# Altium PCB GN-1846-E-V2.PcbDoc (part 7 of 8) (continued)
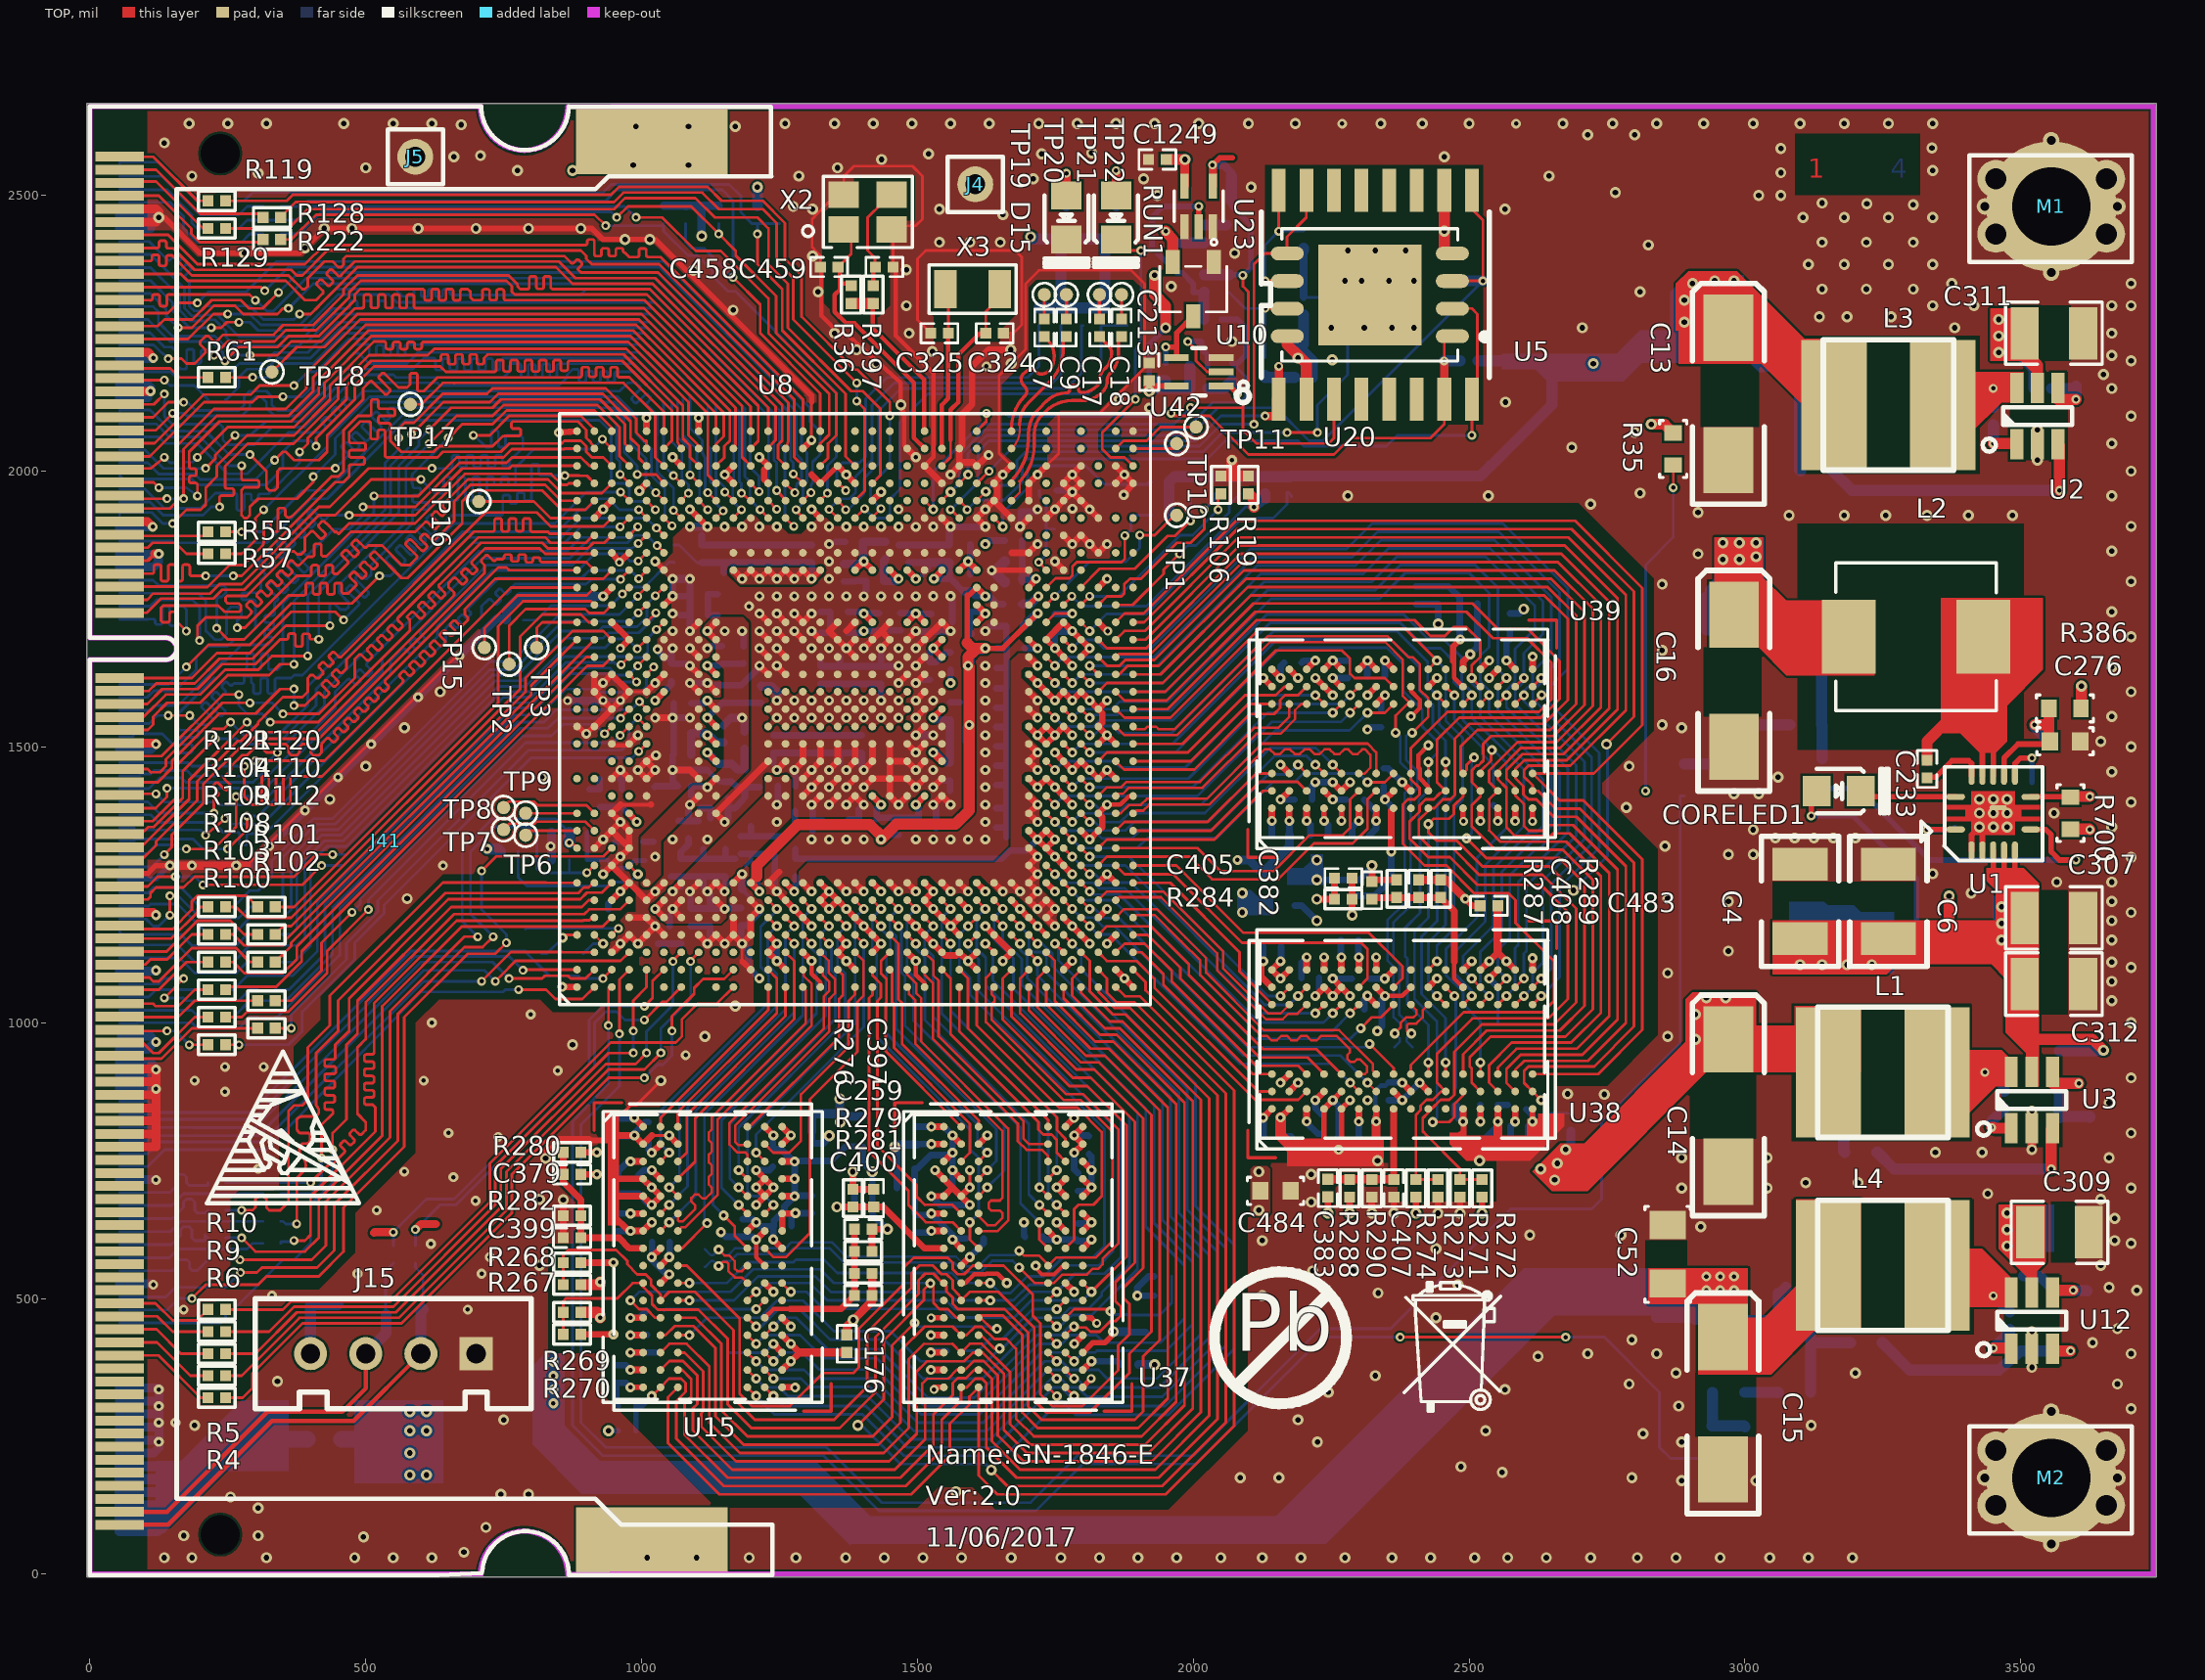
[diagram p0: TOP view]
## Nets (pads, with @x,y where several pads share a name; then routed paths per layer and width w, separated by ;. In a path a pad name is that pad's centre, name@x,y a point inside that pad or via, vN(x,y) a via of type N, cw(c..) or ccw(c..) an arc to the next point about the centre after c; other vN are vias at no path point) (continued)
RGMII_RXD1: J41.140 U8.A2 | length 965.7
  TOP w5: v3(785,1095) 786,1096 809,1096 809.11,1096.11 U8.A2@883.01,1096.11
  BOTTOM w5: J41.140@54,833.78 110,833.78 118.78,825 295,825 590,1120 760,1120 v3(785,1095)
RGMII_RXD2: J41.142 U8.B2 | length 1008.1
  TOP w5: v3(760,1080) 819.79,1080 824.79,1085 866.47,1085 871.47,1080 898.4,1080 U8.B2@914.51,1096.11
  BOTTOM w5: J41.142@54,810.16 187.82,810.16 187.97,810 300,810 600,1110 730,1110 v3(760,1080)
RGMII_RXD3: J41.144 U8.D3 | length 1081.6
  TOP w5: v3(735,1075) 745.25,1085.25 745.25,1085.76 771.49,1112 961.89,1112 U8.D3@977.5,1127.61
  BOTTOM w5: J41.144@54,786.54 105,786.54 113.46,795 305,795 605,1095 715,1095 v3(735,1075)
RGMII_RXDV: J41.148 U8.B1 | length 1010.8
  TOP w5: v3(777,1060) 827,1060 844,1043 892.9,1043 U8.B1@914.51,1064.61
  BOTTOM w5: J41.148@54,739.29 105,739.29 135.71,770 320,770 601.04,1055.97 748.97,1055.97 753,1060 v3(777,1060)
RGMII_TXCKOUT: J41.160 R320.1 | length 210.5
  BOTTOM w5: J41.160@54,597.56 147.56,597.56 165,615 165,625 170,630 180,630 185,625 185,610 190,605 209,605 209,615 R320.1@214,610
RGMII_TXCKOUT_S: R320.2 U8.C5 | length 1139.9
  TOP w5: v3(275,610) 300,585 390,585 415,610 415,680 530,795 530,1030 674,1174 929.41,1174 U8.C5@946.01,1190.6
  BOTTOM w5: R320.2@246,610 v3(275,610)
RGMII_TXD0: J41.152 R342.1 | length 203.3
  BOTTOM w5: J41.152@54,692.05 145,692.05 155,702.05 155,720 160,725 170,725 175,720 175,710 180,705 214,705 R342.1@214,710
RGMII_TXD0_S: R342.2 U8.D6 | length 1144.8
  TOP w5: v3(400,710) 432.63,742.63 439.52,742.63 461.12,764.23 ccw(c458.47,766.88) 462.22,766.88 ccw(c458.47,766.88) 461.12,769.53 454.95,775.71 cw(c457.6,778.36) 453.85,778.36 cw(c457.6,778.36) 454.95,781.01 458.84,784.9 cw(c461.49,782.25) 464.14,784.9 469.56,779.48 ccw(c472.21,782.13) 474.86,779.48 478.75,783.37 ccw(c476.1,786.02) 479.85,786.02 ccw(c476.1,786.02) 478.75,788.67 472.02,795.4 cw(c474.67,798.06) 470.92,798.06 cw(c474.67,798.06) 472.02,800.71 475.91,804.6 cw(c478.56,801.95) 481.21,804.6 487.75,798.06 ccw(c490.4,800.71) 493.05,798.05 500,805 500,820 485,835 485,955 500,970 500,1037 660,1197 896.41,1197 905,1205.59 961,1205.59 U8.D6@977.5,1222.09
  BOTTOM w5: R342.2@246,710 v3(400,710)
RGMII_TXD1: J41.154 R343.1 | length 268.9
  BOTTOM w5: J41.154@54,668.43 148.43,668.43 170,690 R343.1@314,690
RGMII_TXD1_S: R343.2 U8.C7 | length 1121.7
  TOP w5: v3(420,755) 420,815.15 440.85,836 440.85,838.75 ccw(c437.1,838.75) 437.1,842.5 429.36,842.5 cw(c429.36,846.25) 425.61,846.25 425.61,851.75 cw(c429.36,851.75) 429.36,855.5 440.28,855.5 ccw(c440.28,859.25) 444.03,859.25 444.03,864.75 ccw(c440.28,864.75) 440.28,868.5 429.36,868.5 cw(c429.36,872.25) 425.61,872.25 425.61,877.75 cw(c429.36,877.75) 429.36,881.5 440.28,881.5 ccw(c440.28,885.25) 444.03,885.25 444.03,890.75 ccw(c440.28,890.75) 440.28,894.5 429.36,894.5 cw(c429.36,898.25) 425.61,898.25 425.61,903.75 cw(c429.36,903.75) 429.36,907.5 442.19,907.5 ccw(c442.19,911.25) 445.94,911.25 445.94,916.75 ccw(c442.19,916.75) 442.19,920.5 429.36,920.5 cw(c429.36,924.25) 425.61,924.25 425.61,929.75 cw(c429.36,929.75) 429.36,933.5 441.25,933.5 ccw(c441.25,937.25) 445,937.25 445,960 470,985 470,1044.09 649.91,1224 889,1224 901,1236 928.42,1236 U8.C7@946.01,1253.59
  BOTTOM w5: R343.2@346,690 400.51,690 420,709.49 v3(420,755)
RGMII_TXD2: J41.156 R344.1 | length 201.7
  BOTTOM w5: J41.156@54,644.8 149.8,644.8 170,665 170,675 175,680 185,680 190,675 190,660 195,655 209,655 R344.1@214,660
RGMII_TXD2_S: R344.2 U8.A7 | length 1105.4
  TOP w5: v3(275,660) 295,660 300,665 300,680 305,685 315,685 320,680 320,665 325,660 345,660 360,675 360,840 370,850 385,850 395,860 395,955 435,995 435,1049 640,1254 827,1254 827.41,1253.59 U8.A7@883.01,1253.59
  BOTTOM w5: R344.2@246,660 v3(275,660)
RGMII_TXD3: J41.158 R341.1 | length 267.8
  BOTTOM w5: J41.158@54,621.18 146.18,621.18 165,640 R341.1@314,640
RGMII_TXD3_S: R341.2 U8.B7 | length 1081.3
  TOP w5: v3(375,635) 375,718.62 387.56,731.19 ccw(c378.36,740.39) 391.38,740.39 391.38,741.68 ccw(c371.29,741.68) 385.49,755.88 384.03,757.35 cw(c393.75,767.07) 380,767.07 380,771.21 cw(c391.46,771.21) 383.36,779.32 cw(c387.32,775.36) 387.32,780.96 392.32,780.96 ccw(c392.32,787.43) 396.89,782.86 397.14,783.11 ccw(c392.57,787.68) 399.04,787.68 399.04,795.96 ccw(c395,795.96) 395,800 382.07,800 cw(c382.07,805) 378.54,801.46 cw(c387.07,810) 375,810 375,822.93 cw(c380,822.93) 376.46,826.46 cw(c385,817.93) 385,830 407.93,830 ccw(c407.93,835) 411.46,831.46 ccw(c402.93,840) 415,840 ccw(c402.93,840) 413.26,846.25 ccw(c402.93,840) 411.46,848.53 cw(c415,852.07) 410,852.07 410,945 450,985 450,1040.55 644.45,1235 885.39,1235 895.39,1245 904.01,1245 913.55,1254.55 U8.B7@914.51,1253.59
  BOTTOM w5: R341.2@346,640 350,640 355,635 v3(375,635)
RGMII_TXEN: J41.162 R345.1 | length 270.8
  BOTTOM w5: J41.162@54,573.94 143.94,573.94 160,590 285,590 295,600 R345.1@314,600
RGMII_TXEN_S: R345.2 U8.B5 | length 1111.9
  TOP w5: v3(370,605) 390,605 400,615 400,685 517.5,802.5 517.5,846.5 512.5,851.5 501.25,851.5 cw(c501.25,855.25) 497.5,855.25 497.5,860.75 cw(c501.25,860.75) 501.25,864.5 511.35,864.5 ccw(c511.35,868.25) 515.1,868.25 515.1,873.75 ccw(c511.35,873.75) 511.35,877.5 501.25,877.5 cw(c501.25,881.25) 497.5,881.25 497.5,886.75 cw(c501.25,886.75) 501.25,890.5 511.35,890.5 ccw(c511.35,894.25) 515.1,894.25 515.1,899.75 ccw(c511.35,899.75) 511.35,903.5 501.25,903.5 cw(c501.25,907.25) 497.5,907.25 497.5,912.75 cw(c501.25,912.75) 501.25,916.5 511.35,916.5 ccw(c511.35,920.25) 515.1,920.25 515.1,925.75 ccw(c511.35,925.75) 511.35,929.5 501.25,929.5 cw(c501.25,933.25) 497.5,933.25 497.5,938.75 cw(c501.25,938.75) 501.25,942.5 511.35,942.5 ccw(c511.35,946.25) 515.1,946.25 515.1,1035.1 665,1185 894,1185 895,1186 905.4,1186 910,1190.6 U8.B5@914.51,1190.6
  BOTTOM w5: R345.2@346,600 346,602.92 370,602.92 v3(370,605)
RTC_XIN: C324.2 U8.AB31 X3.1 | length 371
  TOP w5: U8.AB31@1544.43,2009.49 1560.18,2025.24 1560.18,2056 ; C324.2@1624,2250 1624,2289 1650,2315 1650,2329.21 X3.1@1649.21,2330
  TOP w8: 1560.18,2056 1560.18,2111.18 1574,2125 1574,2211 1613,2250 C324.2@1624,2250
RTC_XOUT: C325.2 U8.AB32 X3.2 | length 296
  TOP w5: X3.2@1550.79,2330 1556,2324.79 C325.2@1556,2250
  TOP w8: U8.AB32@1544.43,2040.99 1544.43,2120.43 1555.5,2131.5 1555.5,2249.5 C325.2@1556,2250
SATA_RXM3: C7.1 TP19.1 | length 44
  TOP w6: C7.1@1730,2276 TP19.1@1730,2320
SATA_RXP3: C9.1 TP20.1 | length 44
  TOP w6: C9.1@1770,2276 TP20.1@1770,2320
SATA_TXM3: C17.1 TP21.1 | length 44
  TOP w6: C17.1@1830,2276 TP21.1@1830,2320
SATA_TXP3: C18.1 TP22.1 | length 44
  TOP w6: C18.1@1870,2276 TP22.1@1870,2320
SFC_CLK: R64.2 U5.6 U20.16 | length 260.8
  TOP w5: v3(2130,2345) 2170,2345 U5.6@2170.39,2344.61 ; v3(2155,2435) U20.16@2155,2509.47
  BOTTOM w5: v3(2130,2345) 2130,2410 v3(2155,2435) 2199,2435 R64.2@2200,2436
SFC_CLK/SFC_BOOT_MODE: R64.1 R690.1 R691.1 U8.AD29 | length 1118.2
  TOP w4: U8.AD29@1607.42,1946.5 v1(1624,1963)
  TOP w5: v3(2170,2070) v3(2225,2070)
  BOTTOM w5: v1(1624,1963) 1635.08,1974.08 1665,1974.08 1680,1989.08 1680,2019 1696,2035 2018,2035 2053,2070 v3(2170,2070) ; R691.1@2200,2316 2200,2315 2265,2315 2280,2300 2280,2175 2225,2120 v3(2225,2070) ; R690.1@2200,2360 R690.1@2204,2360
  BOTTOM w15: R691.1@2200,2316 2200,2360 R64.1@2200,2400
  BOTTOM w20: R64.1@2200,2400 R64.1@2200,2404
SFC_CS0N: R130.2 U5.1 U8.AD33 U20.7 | length 1131.4
  TOP w5: U8.AD33@1607.42,2072.49 1624.93,2090 1624.93,2104.93 v3(1625,2105) ; v3(1960,2105) 1965,2100 2030,2100 2100,2030 2255,2030 2285,2060 2430,2060 2455,2085 U20.7@2455,2130.53 U20.7@2455,2140 ; v3(2455,2200) 2455,2240 2469.61,2240 U5.1@2469.61,2244.61
  TOP w15: U20.7@2455,2140 v3(2455,2200)
  BOTTOM w5: v3(1625,2105) 1659.5,2105 1665,2099.5 1934.5,2099.5 1940,2105 v3(1960,2105)
  BOTTOM w20: v3(2455,2200) R130.2@2484,2200
SFC_DEVICE_MODE: R245.2 R322.1 U8.D8 | length 301
  TOP w5: U8.D8@977.5,1285.09 v1(993.24,1269.35)
  BOTTOM w5: R245.2@776,1310 R322.1@776,1270 776.5,1269.5 776.5,1263.5 792,1248 942,1248 949,1255 978.89,1255 v1(993.24,1269.35)
SFC_DIO_IO0: U5.5 U8.AD30 U20.15 | length 1034.7
  TOP w5: U8.AD30@1607.42,1978 1608,1978 v3(1630,2000) ; v3(2110,2085) 2110,2375 2130,2395 U5.5@2170,2395 ; U5.5@2170.39,2394.61 U5.5@2170,2395 ; U20.15@2205,2509.47 2205,2460 2170,2425 U5.5@2170,2395
  BOTTOM w5: v3(1630,2000) 1675,2045 2011,2045 2051,2085 v3(2110,2085)
SFC_DOI_IO1: U5.2 U8.AC29 U20.8 | length 1294.7
  TOP w5: U8.AC29@1575.93,1946.5 1590,1932.43 v3(1590,1930) ; U5.2@2469.61,2294.61 2470,2295 2505,2295 2515,2285 2515,2140.53 U20.8@2505,2130.53 v3(2505,2065)
  BOTTOM w5: v3(1590,1930) 1607.5,1947.5 1657.5,1947.5 1690,1980 1690,2013 1699,2022 2025,2022 2058,2055 2190,2055 2200,2045 2350,2045 2370,2065 v3(2505,2065)
SFC_HOLD_IO3: R29.2 R127.2 U8.AC28 U20.1 | length 887.8
  TOP w5: v3(1560,1930) 1560.94,1930 U8.AC28@1575.93,1915.01
  TOP w15: v3(2130,2100) 2150,2100 2150,2130.53 U20.1@2155,2130.53 v3(2155,2190)
  BOTTOM w5: v3(1560,1930) 1610,1980 1610,2035 1630,2055 2005,2055 2050,2100 v3(2130,2100)
  BOTTOM w15: 2155,2170 v3(2155,2190)
  BOTTOM w20: R29.2@2130,2174 2130,2170 2155,2170 R127.2@2184,2170
SFC_WP_IO2: R131.1 U5.3 U8.AC30 U20.9 | length 1460.3
  TOP w4: U8.AC30@1575.93,1978 v1(1591.68,1993.74)
  TOP w5: U5.3@2469.61,2344.61 2470,2345 v3(2525,2345) 2525,2455 2505,2475 U20.9@2505,2509.47
  BOTTOM w5: v1(1591.68,1993.74) 1591.68,2031.68 1625,2065 1995,2065 2045,2115 2150,2115 2210,2055 2235,2055 v3(2525,2345)
  BOTTOM w20: R131.1@2466,2345 v3(2525,2345)
SPI_CSN0/PCIE_SATA_MODE0: R222.2 R319.1 U8.R29 | length 1386.6
  TOP w5: R222.2@346,2420 365,2420 410,2465 915,2465 v3(935,2445) ; U8.R29@1323.96,1946.5 1323.96,1946.96 v3(1337,1960)
  BOTTOM w5: v3(935,2445) 1039,2445 R319.1@1040,2449 1040,2435 1084,2391 1101,2391 1128,2364 1128,2355 1157,2326 1170,2326 1354,2142 1353,2141 1353,2026 1337,2010 v3(1337,1960)
SPI_CSN1/PCIE_SATA_MODE1: R318.1 U8.T29 | length 714.2
  TOP w5: U8.T29@1355.45,1946.5 1370,1931.95 v3(1370,1930)
  BOTTOM w5: v3(1370,1930) 1374,1930 1403,1959 1403,1987 1430,2014 1430,2110 1470,2150 1770,2150 1797.36,2177.36 1797.36,2263.97 R318.1@1800,2264
SPI_CSN2/PCIE_SATA_MODE2: R317.1 U8.T30 | length 644.7
  TOP w5: U8.T30@1355.45,1978 1357,1978 v3(1370,1965)
  BOTTOM w5: v3(1370,1965) 1354,1981 1354,2005 1364,2015 1395,2015 1406,2026 1406,2131 1445,2170 1700,2170 1720,2190 R317.1@1720,2264
SPI_CSN3/PCIE_SATA_MODE3: R316.1 U8.T28 | length 708.3
  TOP w5: v3(1339.71,1930.74) U8.T28@1355.45,1915.01
  BOTTOM w5: v3(1339.71,1930.74) 1358.97,1950 1377,1950 1388,1961 1388,1990 1418,2020 1418,2120 1457.56,2159.56 1744.56,2159.56 1760,2175 R316.1@1760,2264
SYS_RSTN: C220.1 R56.2 R95.2 R96.1 U8.AA29 U20.3 U23.4 | length 1635
  TOP w5: U8.AA29@1512.93,1946.5 v1(1528.67,1930.76) ; v3(1995,2115) 2090,2115 ; v3(2090,2355) 2090,2335 2100,2325 2100,2130 2090,2120 2090,2115 ; U20.3@2255,2130.53 2255,2060 2245,2050 2115,2050 2090,2075 2090,2115
  TOP w10: v3(2035,2555) 2048,2568 2071,2568
  TOP w15: v3(2035,2555) 2035.59,2554.41 U23.4@2035.59,2517
  BOTTOM w5: v1(1528.67,1930.76) 1528.67,1998.67 1615,2085 1965,2085 v3(1995,2115)
  BOTTOM w10: R56.2@2065,2356 2089,2356 v3(2090,2355) 2105,2370 2105,2445 2070,2480 2070,2489 C220.1@2069,2490
  BOTTOM w15: v3(2035,2555) 2055,2555 2069,2541 R96.1@2069,2535
  BOTTOM w20: R95.2@2020,2356 R56.2@2065,2356 ; C220.1@2069,2490 R96.1@2069,2535
SYS_RSTN_OUT: C455.1 R23.1 R95.1 R334.2 U23.2 | length 450.8
  TOP w10: U23.2@2010,2443 v3(2010,2480)
  BOTTOM w10: R95.1@2020,2324 2000,2324 2000,2340 1980,2360 1970,2360 1925,2405 1925,2460 1945,2480 v3(2010,2480) 2010,2456 R334.2@2020,2446
  BOTTOM w20: R23.1@2019,2275 2019,2323 R95.1@2020,2324 ; R334.2@2020,2446 C455.1@2060,2446
SYSRUN: RUN1.2 U8.AN31 | length 520.7
  TOP w5: RUN1.2@1860,2420 1860,2400 v3(1905,2400) ; U8.AN31@1890.89,2009.49 1875.38,2025 1850,2025 1835,2040 1835,2070 v3(1895,2130)
  BOTTOM w5: v3(1895,2130) 1895,2220 1905,2240 v3(1905,2400)
TEST_MODE: R253.2 U8.AH22 | length 85.7
  TOP w5: U8.AH22@1733.41,1726.03 1749.15,1741.77 v1(1780.64,1741.77)
  BOTTOM w12: R253.2@1749,1741 1779.87,1741 v1(1780.64,1741.77)
UART0_RXD: R372.1 U8.G1 | length 792.9
  TOP w5: v3(1005,1005) 1037.62,1037.62 1045,1037.62 U8.G1@1071.99,1064.61
  TOP w15: v3(590,625) 600,635 627,635
  BOTTOM w5: R372.1@590,596 v3(590,625) 635,670 664,670 915,921 915,1000 935,1020 955,1020 970,1005 v3(1005,1005)
UART0_TXD: R48.1 U8.F2 | length 812.2
  TOP w5: v3(1005,1030) 1020,1045 1020,1075.62 U8.F2@1040.49,1096.11
  TOP w15: 515,619 516,620 v3(550,620)
  BOTTOM w5: R48.1@550,596 v3(550,620) 550,620.5 609.5,680 660,680 905,925 905,1005 930,1030 v3(1005,1030)
UART1_RXD: J41.105 U8.E20 | length 1150.5
  TOP w5: J41.105@54,1247.17 105,1247.17 122.83,1265 v3(155,1265) ; v3(205,1250) 385,1250 v3(420,1285) ; v3(993,1647) U8.E20@1009,1663.04
  BOTTOM w5: v3(155,1265) 190,1265 v3(205,1250) ; v3(420,1285) 460,1285 755,1580 805,1580 868,1643 942,1643 955,1630 976,1630 v3(993,1647)
UART1_TXD: J41.107 U8.D20 | length 1112.6
  TOP w5: J41.107@54,1223.54 105,1223.54 110,1228.54 110,1235 120,1245 170,1245 190,1265 370,1265 410,1305 v3(440,1305) ; v3(963,1649) 977.04,1663.04 U8.D20@977.5,1663.04
  BOTTOM w5: v3(440,1305) 465,1305 750,1590 800,1590 863,1653 950,1653 953,1650 962,1650 v3(963,1649)
USB2_REXT: R8.2 R39.2 U8.D11 | length 99.3
  TOP w12: U8.D11@977.5,1379.57 977.5,1378.1 v1(991.3,1364.3)
  BOTTOM w5: v1@990.7,1364.3 v1(991.3,1364.3)
  BOTTOM w12: R39.2@924,1391 R8.2@964,1391 v1@990.7,1364.3
USB3_REXT: R40.2 R41.2 U8.AH25 | length 176
  TOP w5: v3(1720,1835) U8.AH25@1733.41,1820.52
  BOTTOM w5: v3(1720,1835) 1733.4,1848.4 1733.4,1895 ; R40.2@1721,1965 1721,1955 1733.4,1942.6 1733.4,1895 ; R41.2@1749,1895 1733.4,1895
VDAC_REXT: R219.1 U8.F18 | length 69.1
  TOP w12: v1(1024.75,1584.31) U8.F18@1040.49,1600.05
  BOTTOM w12: v1(1024.75,1584.31) 1054,1613.56 R219.1@1054,1619
WDG_RSTN: R83.1 R225.2 U42.1 | length 113.9
  TOP w10: U42.1@2050.5,2154.41 2051.09,2155 2065,2155 v3(2080,2140)
  BOTTOM w10: R83.1@2070,2164 2080,2154 v3(2080,2140)
  BOTTOM w20: R225.2@2026,2150 2056,2150 R83.1@2070,2164
WDG_RSTN/SYS_RSTN_OUT: R23.2 R83.2 U8.AB29 | length 863
  TOP w5: U8.AB29@1544.43,1946.5 v1@1562,1964.07
  BOTTOM w5: v1(1560.17,1962.24) 1575.93,1978 1575.93,2028.65 1622.27,2075 1985.25,2075 2035,2124.75 2085.26,2124.75 2095,2134.49 2095,2171 R83.2@2071,2195
  BOTTOM w10: R23.2@2051,2275 2080,2275 2095,2260 2095,2210 2080,2195 2071,2195 R83.2@2070,2196
XIN: C458.2 R36.1 U8.AA32 X2.1 | length 563.9
  TOP w5: C458.2@1356,2370 1380,2394 1380,2442 1356,2442 1356,2433 1366.69,2433 X2.1@1366.69,2438.5
  TOP w8: C458.2@1356,2370 1360,2366 1360,2340 ; R36.1@1380,2336 1376,2340 1360,2340 ; U8.AA32@1512.93,2040.99 1493.94,2059.98 1493.94,2160 1386,2267.94 1371,2267.94 1350,2288.94 1350,2320 1360,2330 1360,2340
XOUT: R36.2 R397.2 U8.AA33 | length 310.8
  TOP w8: R397.2@1420,2304 1419,2303 1419,2259 1512,2166 1512,2073.42 U8.AA33@1512.93,2072.49
  TOP w20: R36.2@1380,2304 R397.2@1420,2304
pads on no net: J41.15 J41.16 J41.17 J41.18 J41.19 J41.20 J41.21 J41.22 J41.23 J41.24 J41.25 J41.26 J41.27 J41.28 J41.29 J41.30 J41.39 J41.40 J41.41 J41.42 J41.43 J41.44 J41.45 J41.46 J41.47 J41.48 J41.49 J41.50 J41.51 J41.52 J41.53 J41.54 J41.65 J41.66 J41.67 J41.68 J41.69 J41.70 J41.71 J41.72 J41.73 J41.74 J41.75 J41.76 J41.77 J41.78 J41.79 J41.80 J41.85 J41.86 J41.87 J41.88 J41.89 J41.90 J41.91 J41.92 J41.93 J41.94 J41.95 J41.96 J41.97 J41.98 J41.99 J41.100 J41.147 J41.149 J41.151 J41.153 J41.155 J41.157 J41.159 J41.161 J41.163 J41.165 J41.167 J41.174 J41.176 J41.178 J41.179 J41.180 J41.181 J41.183 J41.185 J41.187 J41.189 J41.191 J41.193 J41.195 J41.197 J41.199 J41.205 J41.206 J41.207 J41.208 U8.A13 U8.A15 U8.A17 U8.A18 U8.AA30 U8.AD32 U8.AG27 U8.AH26 U8.AH27 U8.AH29 U8.AH30 U8.AH32 U8.AH33 U8.AJ24 U8.AJ26 U8.AJ28 U8.AK25 U8.AK26 U8.AK28 U8.AK32 U8.AK33 U8.AL30 U8.AL31 U8.AM24 U8.AM26 U8.AM28 U8.AM33 U8.AN24 U8.AN26 U8.AN28 U8.B13 U8.B15 U8.B17 U8.C12 U8.C14 U8.C18 U8.D1 U8.D12 U8.D14 U8.D22 U8.D23 U8.E3 U8.F1 U8.F3 U8.G2 U8.H2 U8.J1 U8.J2 U8.J3 U8.K3 U8.L3 U8.T32 U8.U32 U8.U33 U8.V31 U8.V32 U8.V33 U8.W28 U8.W29 U8.W30 U8.W31 U8.W32 U8.W33 U8.Y28 U8.Y29 U8.Y30 U8.Y31 U15.J1 U15.J9 U15.L1 U15.L9 U20.4 U20.5 U20.6 U20.11 U20.12 U20.13 U20.14 U37.J1 U37.J9 U37.L1 U37.L9 U38.J1 U38.J9 U38.L1 U38.L9 U39.J1 U39.J9 U39.L1 U39.L9
copper on no net:
  other v2: 1010,30 1100,30 2990,1870 3020,1870 875,2545 985,2555 1085,2555 990,2625 1085,2625

## Polygon pours and split planes (outlines as drawn)
DVDD_CPU on TOP "TOP-DVDD_CPU" (solid, remove dead copper, pour order 1000): 1024,1200 1024,1215 1223.5,1414.5 1223.5,1445 1227.5,1449 1256.5,1449 1257.5,1448 1263.5,1448 1271,1440.5 1271,1372 1154,1255 1154,1190 1144,1180 1044,1180
3V3 on TOP "TOP-3V3" (solid, remove dead copper, pour order 1001): 1159,1815 1179,1795 1309,1795 1329,1815 1329,1820 1324,1825 1164,1825 1159,1820
1V5 on TOP "TOP-1V5" (solid, remove dead copper, pour order 1002): 357 vertices, not listed, extent 1285,1167.4 1756.9,1670
GND on TOP "TOP-GND" (solid, remove dead copper, pour order 1005): 147 vertices, not listed, extent 0,0 3740,2660
3V3 on TOP "TOP-3V3 1" (solid, remove dead copper, pour order 1003): 82 vertices, not listed, extent 999,1246 1194,1735
1V5 on TOP "TOP-1V5 1" (solid, remove dead copper, pour order 1004): 2104,735 2109,740 2134,740 2139,735 2139,655 2134,650 2109,650 2104,655
DVDD_CORE on TOP "TOP-DVDD_CORE" (solid, remove dead copper, pour order 1006): 66 vertices, not listed, extent 1222,1529.02 1486.98,1607.98
GND on GND "GND-GND" (solid, remove dead copper, pour order 1007): 147 vertices, not listed, extent 0,0 3740,2660
GND on POWER "POWER-GND" (solid, remove dead copper, pour order 1008): 850 vertices, not listed, extent 1742.02,851.62 2335.98,1631.98
DVDD_CORE on POWER "POWER-DVDD_CORE" (solid, remove dead copper, pour order 1009): 28 vertices, not listed, extent 1195,1415 3095,2325
1V5 on POWER "POWER-1V5" (solid, remove dead copper, pour order 1010): 810 vertices, not listed, extent 909.02,164.99 2769,1915
GND on POWER "POWER-GND 1" (solid, remove dead copper, pour order 1014): 150 vertices, not listed, extent 0,0 3745,2660.02
3V3 on POWER "POWER-3V3" (solid, remove dead copper, pour order 1011): 18 vertices, not listed, extent 1041.25,1355 3100,2590
12V0 on POWER "POWER-12V0" (solid, remove dead copper, pour order 1012): 22 vertices, not listed, extent 515,57.5 3630,2305
DVDD_CPU on POWER "POWER-DVDD_CPU" (solid, remove dead copper, pour order 1013): 297 vertices, not listed, extent 759,295 1278.48,1404
3V3 on BOTTOM "BOTTOM-3V3" (solid, remove dead copper, pour order 1015): 40 vertices, not listed, extent 998.61,1290 1131,1435
GND on BOTTOM "BOTTOM-GND" (solid, remove dead copper, pour order 1023): 150 vertices, not listed, extent 0,0 3740,2660.44
1V5 on BOTTOM "BOTTOM-1V5" (solid, remove dead copper, pour order 1016): 25 vertices, not listed, extent 1684,1343 1728,1658
3V3 on BOTTOM "BOTTOM-3V3 1" (solid, remove dead copper, pour order 1017): 23 vertices, not listed, extent 1479,1795 1514.35,1840
1V5 on BOTTOM "BOTTOM-1V5 1" (solid, remove dead copper, pour order 1018): 36 vertices, not listed, extent 1300,1229 1731,1308.5
3V3 on BOTTOM "BOTTOM-3V3 2" (solid, remove dead copper, pour order 1019): 43 vertices, not listed, extent 1104,1700 1317,1840
DVDD_CPU on BOTTOM "BOTTOM-DVDD_CPU" (solid, remove dead copper, pour order 1020): 21 vertices, not listed, extent 1174,1330 1284,1405
DVDD_CPU on BOTTOM "BOTTOM-DVDD_CPU 1" (solid, remove dead copper, pour order 1021): 26 vertices, not listed, extent 979,1190 1164,1270
DVDD_CORE on BOTTOM "BOTTOM-DVDD_CORE" (solid, remove dead copper, pour order 1022): 39 vertices, not listed, extent 1234,1500 1481,1629

## Keep-outs
Keep-Out Layer:
  lines w10: 137.22,1698 0,1698 0,2661.42 708.26,2661.42 708.26,2660.5 ccw(c787.26,2660.5) 866.26,2660.5 945,2661.42 2310,2661.42 2617.5,2661.42 3740.16,2661.42 3740.16,0 945,0 866.26,-0.39 ccw(c787.26,-0.67) 708.26,-0.39 708.26,0 0,0 0,1658 137.22,1658 ccw(c136.9,1678) 137.25,1698

## Other copper
TOP:
  pour cut-out: 1290,1230 1240,1230 1205,1195 1205,1020 1032.5,847.5 921,847.5 921,600 830,600 830,400 925,400 925,330 1135,120 1500,120 1537.5,157.5 1600,157.5 1641.25,116.25 1955,116.25 2099.38,260.62 2099.38,745 2370,745 2370,675 2550,675 2550,790 2660,790 2660,885 2750,885 2842.5,977.5 2842.5,1315 2741.25,1416.25 2741.25,1435 2835.62,1529.38 2835.62,1805 2697.81,1942.81 2035,1942.81 1901.09,1808.91 1695,1808.91 1695,1720 1737.5,1677.5 1737.5,1240 1771.25,1206.25 1771.25,1165 1763.12,1156.88 1740,1156.88 1668.44,1228.44 1290,1228.44 1290,1230
  pour cut-out: 1655,1990 1655,1940 1662.5,1932.5 1680,1932.5 1698.75,1951.25 1698.75,1980 1734.38,2015.62 1734.38,2085 1759.69,2110.31 1830,2110.31 1907.34,2187.66 1907.34,2330 1891.17,2346.17 1715,2346.17 1701.91,2333.09 1701.91,2205 1653.46,2156.54 1653.46,2035 1676.73,2011.73 1655,1990
  pour cut-out: 2910,250 3020,250 3020,365 2910,365 2910,250
  pour cut-out: 2130,2085 2525,2085 2525,2555 2130,2555 2130,2085
  pour cut-out: 863.75,1270 640,1270 417.5,1047.5 417.5,1005 368.75,956.25 368.75,890 341.88,863.12 341.88,705 333.44,696.56 270,696.56 254.22,680.78 254.22,560 242.11,547.89 242.11,520 246.05,516.05 415,516.05 481.97,583.03 481.97,655 590.99,764.01 590.99,1000 632.99,1042.01 815.5,1042.01 839,1018.5 915,1018.5 995.75,1099.25 995.75,1135 980.37,1150.37 955,1125 940,1125 940,1165 975,1200 990,1200 990,1240 982.5,1247.5 975,1247.5 946.25,1276.25 870,1276.25 863.75,1270
  region net 12V0: 3527.5,2295 3445,2295 3445,2200 3500,2200 3520,2180 3520,2170 3540,2170 3540,2195 3527.5,2207.5 3527.5,2295
  region net NetC28_2: 3505,2125 3465,2125 3407.5,2067.5 3375,2067.5 3375,2180 3505,2180 3505,2125
  region net 12V0: 3460,670 3460,590 3512.5,537.5 3525,537.5 3525,550 3530,550 3545,565 3545,670 3460,670
  pour cut-out: 3535,1015 3585,1015 3585,1240 3535,1240 3535,1015
  pour cut-out: 0,2660 105,2660 105,0 0,0 0,2660
  pour cut-out: 2920,2080 3025,2080 3025,2195 2920,2195 2920,2080
  pour cut-out: 3480,2020 3585,2020 3585,2180 3480,2180 3480,2020
  pour cut-out: 3085,785 3410,785 3410,1035 3085,1035 3085,785
  region net GND: 930,841 930,789 939,789 939,633 959,633 959,841 930,841
  pour cut-out: 2820,555 2895,555 2895,605 2820,605 2820,555
  region net DVDD_CORE: 2945,1880 2945,1680 3025,1680 3075,1630 3235,1630 3235,1765 3075,1765 3032.5,1807.5 3032.5,1880 2945,1880
  pour cut-out: 3050,1185 3310,1185 3310,1255 3050,1255 3050,1185
  region net NetC233_2: 3425,1490 3390,1525 3355,1525 3355,1770 3540,1770 3540,1640 3475,1575 3475,1510 3455,1490 3425,1490
  region net NetC33_2: 3485,485 3390,485 3390,590 3430,590 3485,535 3485,485
  pour cut-out: 1362.5,2500 1385,2500 1385,2535 1495,2535 1495,2455 1450,2455 1450,2300 1430,2280 1355,2280 1327.5,2307.5 1327.5,2465 1362.5,2500
  region net 12V0: 3530,920 3515,920 3515,960 3530,960 3530,920
  pour cut-out: 3530,2200 3590,2200 3590,2300 3530,2300 3530,2200
  region net GND: 2170,740 2345,740 2345,790 2170,790 2170,740
  pour cut-out: 855,1570 855,1585 905,1635 950,1635 980,1605 1010,1605 1037.5,1632.5 1037.5,1675 1028.75,1683.75 1028.75,1695 1054.38,1720.62 1054.38,1800 1019.69,1834.69 1027.5,1842.5 1035,1835 1040,1835 1057.5,1852.5 1057.5,1880 1076.25,1898.75 1175,1898.75 1195.62,1919.38 1205,1919.38 1222.19,1902.19 1250,1902.19 1266.09,1886.09 1290,1886.09 1319.45,1915.55 1335,1915.55 1350.27,1900.27 1460,1900.27 1467.36,1907.64 1467.36,2125 835,2125 835,1570 855,1570
  region net 1V5: 3210,1030 3090,1030 3090,995 3020,995 3020,1055 2905,1055 2892.5,1042.5 2892.5,965 2708.75,781.25 2665,781.25 2614.38,730.62 2650,695 2715,695 2930,910 3210,910 3210,1030
  pour cut-out: 105,1295 284.5,1295 747,1757.5 910,1757.5 910,2105 1295,2105 1295,2140 1017.5,2417.5 920,2417.5 908.75,2428.75 425,2428.75 385.62,2389.38 195,2389.38 147.19,2437.19 105,2437.19 105,1295
  pour cut-out: 1702.75,1713.75 1684,1695 1729.5,1649.5 1729.5,1643 1722.75,1636.25 1713,1636.25 1707.12,1642.12 1695,1642.12 1689.94,1637.06 1689.94,1626 1727.97,1587.97 1727.97,1546 1722.48,1540.52 1715,1540.52 1708.76,1546.76 1701,1546.76 1692.62,1538.38 1692.62,1531 1727.31,1496.31 1727.31,1455 1720.16,1447.84 1714,1447.84 1708.42,1453.42 1697,1453.42 1691.29,1447.71 1691.29,1436 1729.64,1397.64 1729.64,1359 1721.82,1351.18 1712,1351.18 1703.09,1360.09 1698,1360.09 1689.46,1351.54 1689.46,1345 1728.73,1305.73 1728.73,1265 1725.36,1261.64 1725.36,1246 1763.18,1208.18 1763.18,1205 1755.59,1197.41 1755.59,1185 1761.8,1178.8 1761.8,1173 1751.9,1163.1 1745,1163.1 1677.55,1230.55 1664,1230.55 1660.72,1227.28 1650,1227.28 1614.64,1262.64 1602,1262.64 1595.68,1256.32 1595.68,1250 1606.34,1239.34 1606.34,1235 1597.67,1226.33 1586,1226.33 1580.16,1232.16 1571,1232.16 1565.42,1226.58 1553,1226.58 1516.79,1262.79 1508,1262.79 1503.1,1257.9 1503.1,1251 1512.55,1241.55 1514.55,1239.55 1499.5,1224.5 1494,1224.5 1485.75,1232.75 1478,1232.75 1471.12,1225.88 1461,1225.88 1422.44,1264.44 1413,1264.44 1408.28,1259.72 1408.28,1252 1417.14,1243.14 1417.14,1234 1410.57,1227.43 1397,1227.43 1393.21,1231.21 1384,1231.21 1378.39,1225.61 1367,1225.61 1327.8,1264.8 1320,1264.8 1314.6,1259.4 1314.6,1251 1322.3,1243.3 1322.3,1235 1316.15,1228.85 1239,1228.85 1202.57,1192.43 1202.57,1035 1923,1035 1923,1792 1715,1792 1694.5,1771.5 1694.5,1722 1702.75,1713.75
  region net 3V3: 2875,2255 2875,2340 2897.5,2362.5 2985,2362.5 3108.75,2238.75 3110,2240 3215,2240 3215,2125 3100,2125 3030,2195 2880,2195 2880,2255 2875,2255
  pour cut-out: 3470,375 3570,375 3570,545 3470,545 3470,375
  pour cut-out: 3095,1995 3425,1995 3425,2245 3095,2245 3095,1995
  pour cut-out: 3555,565 3600,565 3600,675 3555,675 3555,565
  region net DVDD_CPU: 2825,555 3005,555 3005,465 3035,465 3092.5,522.5 3092.5,680 3210,680 3210,440 3125,440 3047.5,362.5 2915,362.5 2915,490 2825,490 2825,555
  region net 12V0: 3050,1185 3455,1185 3455,1240 3437.5,1257.5 3437.5,1280 3505,1280 3532.5,1252.5 3532.5,885 3510,885 3510,945 3472.5,982.5 3472.5,1080 3446.25,1106.25 3275,1106.25 3256.88,1088.12 3050,1088.12 3050,1185
  region net NetC27_2: 3480,885 3455,885 3400,830 3400,950 3465,950 3480,935 3480,885
  pour cut-out: 3360,1290 3545,1290 3545,1465 3360,1465 3360,1290
  pour cut-out: 3095,1495 3505,1495 3505,1905 3095,1905 3095,1495
  pour cut-out: 2900,790 3020,790 3020,910 2900,910 2900,790
  pour cut-out: 3091,2501 3317,2501 3317,2612 3091,2612 3091,2501
  pour cut-out: 3085,435 3415,435 3415,680 3085,680 3085,435
  pour cut-out: 3465,775 3575,775 3575,940 3465,940 3465,775
  pour cut-out: 1530,2235 1530,2280 1517.5,2292.5 1517.5,2375 1680,2375 1680,2285 1650,2255 1650,2235 1530,2235
  pour cut-out: 2925,1555 3030,1555 3030,1680 2925,1680 2925,1555
  region net GND: 2485,825 2485,805 2480,800 2465,800 2465,780 2495,750 2610,750 2672.5,812.5 2672.5,835 2625,835 2625,825 2605,825 2605,795 2560,795 2560,825 2545,825 2545,795 2495,795 2495,825 2485,825
  text "1" at 3114,2532 h35
GND:
  pour cut-out: 3142,2501 3317,2501 3317,2612 3142,2612 3142,2501
  text "2" at 3162,2532 h35
POWER:
  region net 12V0: 3445,2200 3520,2200 3520,2295 3445,2295 3445,2200
  region net 1V5: 2645,685 2602.5,730 2660,805 2712.5,752.5 2645,685
  pour cut-out: 3204,2501 3317,2501 3317,2612 3204,2612 3204,2501
  pour cut-out: 3255,2501 3317,2501 3317,2612 3255,2612 3255,2501
  text "3" at 3213,2532 h35